# Altium PCB board.PcbDoc (part 3 of 4)
Units mm, origin at the board's own origin, x right, y up, seen from the top; angles counter-clockwise.
Board outline 300 x 184 mm, 2 copper layers (Top Layer, Bottom Layer); 398 components, 261 nets, 1329 pads, 584 vias.
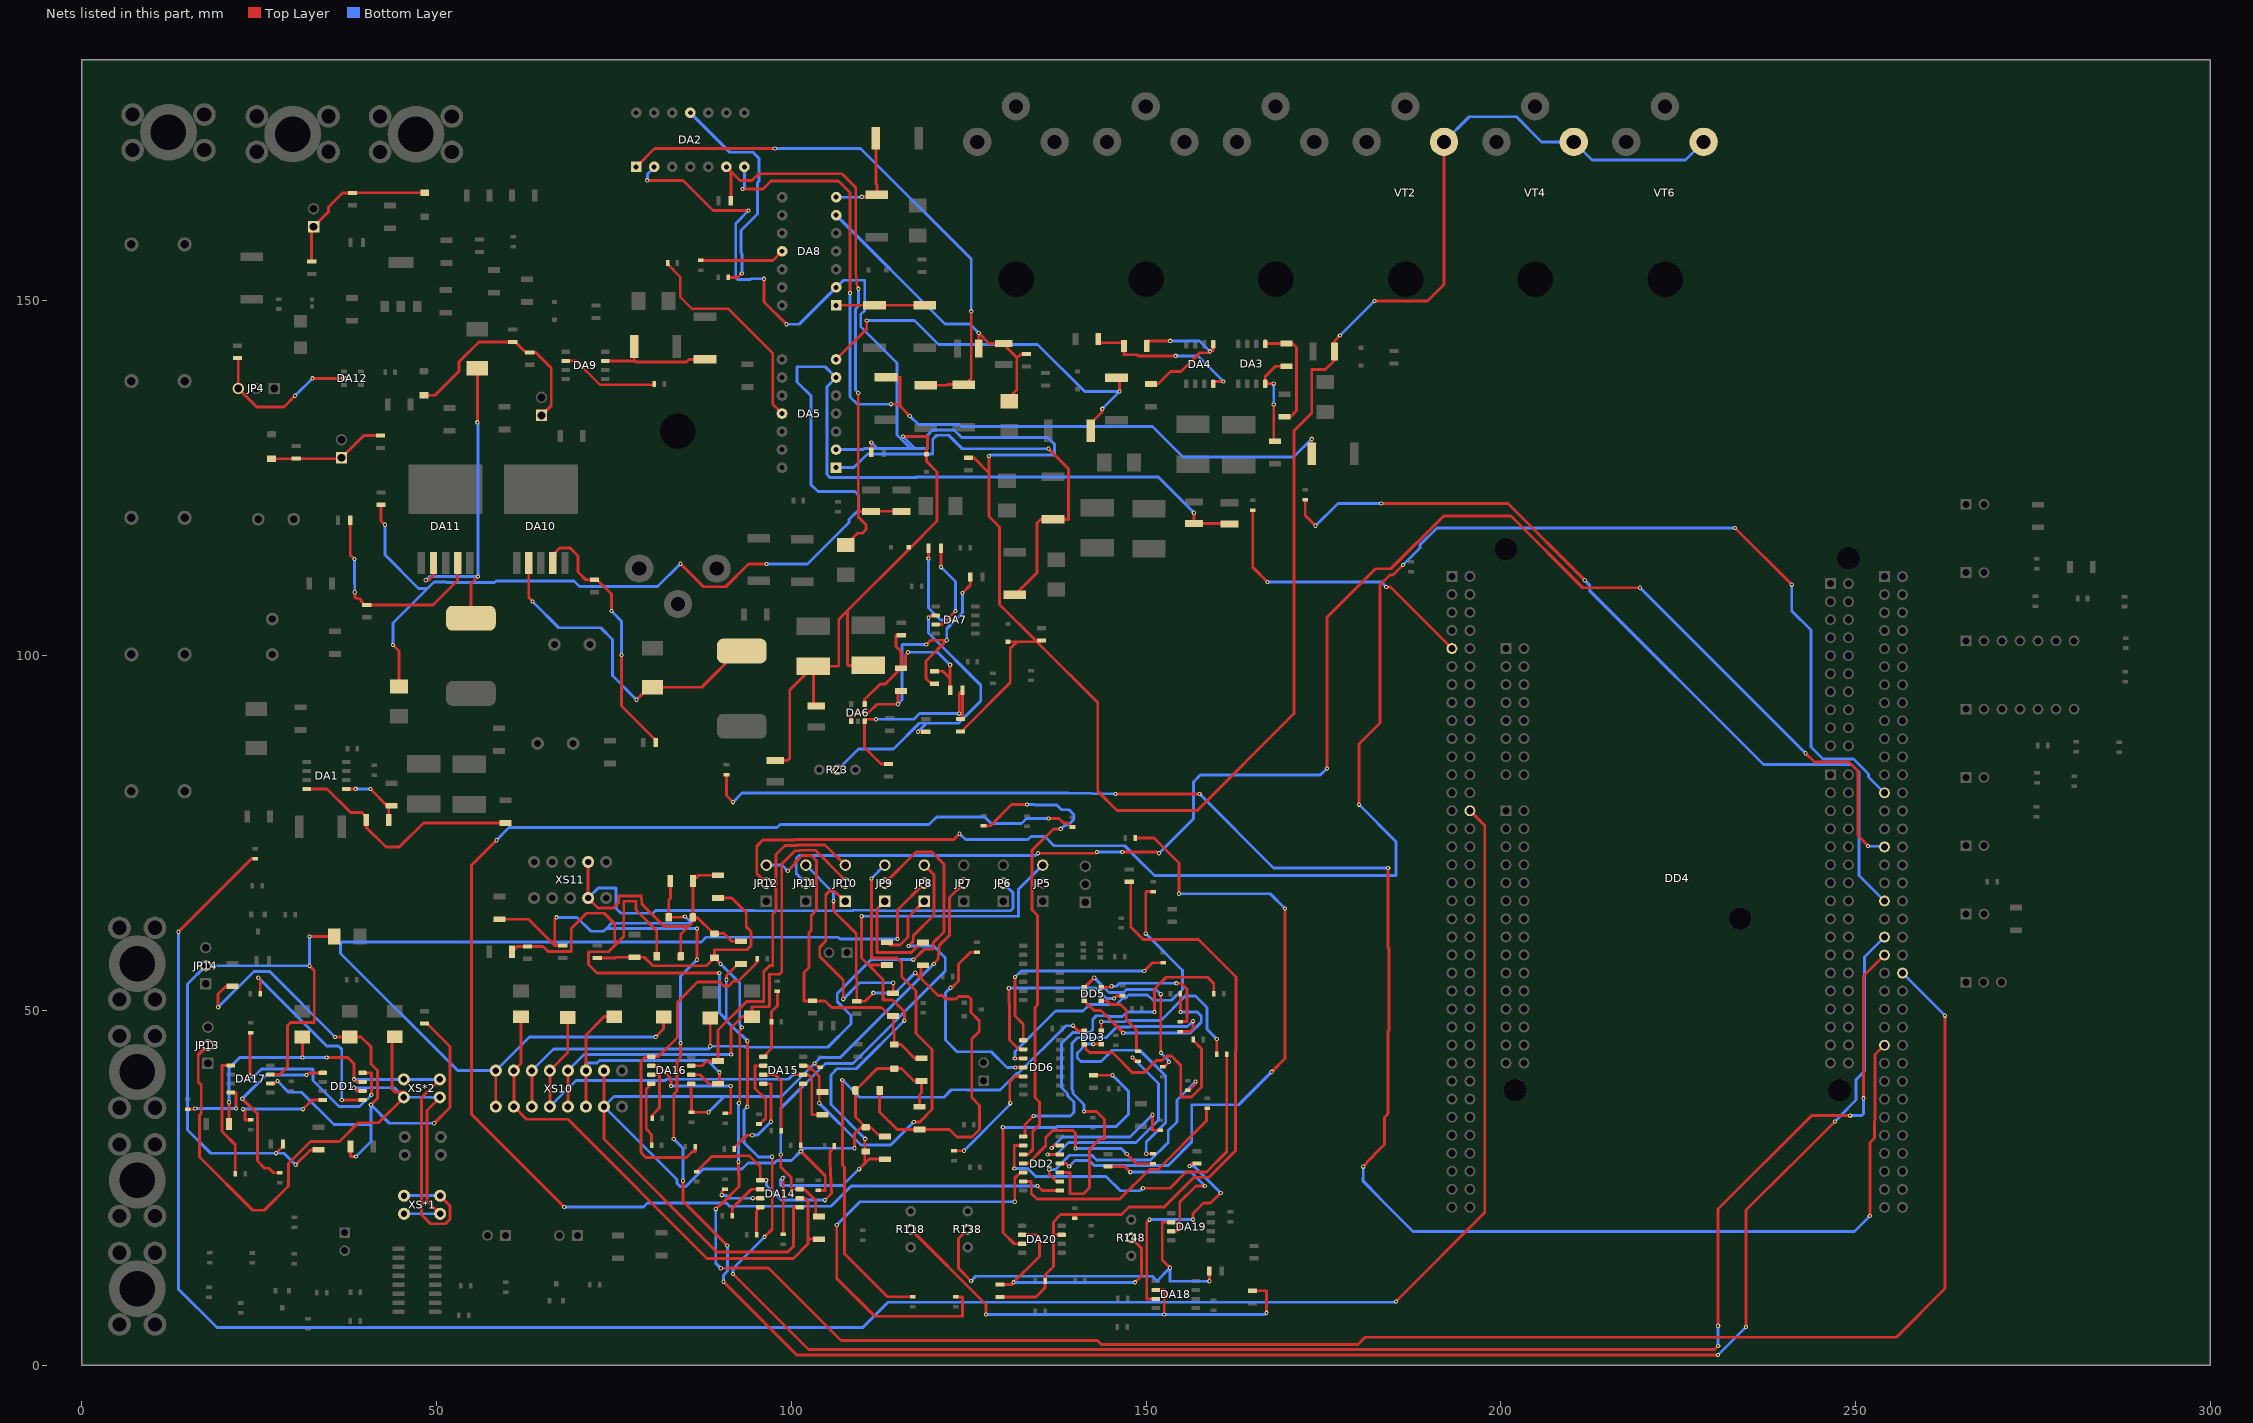
[diagram p3: the nets of this part, all layers, seen from the top]

## Via types
v1: diameter 0.6, hole 0.3, Top Layer to Bottom Layer, 584 vias

## Nets (pads, with @x,y where several pads share a name; then routed paths per layer and width w, separated by ;. In a path a pad name is that pad's centre, name@x,y a point inside that pad or via, vN(x,y) a via of type N, cw(c..) or ccw(c..) an arc to the next point about the centre after c; other vN are vias at no path point) (continued)
ENC_B: DD4.CN12_31 JP11.2 | length 217.8
  Top Layer w0.4: v1(134.772,72.156) 142.877,72.156 143.046,72.325 v1(143.1,72.325) ; v1(146.662,72.338) 151.581,72.338 151.769,72.15 v1(151.823,72.15) ; v1(175.5,84.1) 175.5,105.416 182.334,112.25 184.5,112.25 191.95,119.7 201.425,119.7 211.55,109.575 v1(219.625,109.575) ; v1(242.95,86.25) 244.209,84.991 249.079,84.991 250.311,83.759 250.311,74.639 251.75,73.2 v1(251.75,73.175)
  Bottom Layer w0.4: JP11.2@102.064,67.935 100.714,69.285 100.714,71.416 101.124,71.825 134.441,71.825 v1(134.772,72.156) ; v1@143.137,72.338 v1(146.662,72.338) ; v1@151.796,72.15 v1(151.823,72.15) 151.85,72.15 156.708,77.008 156.708,82.224 156.75,82.266 157.648,83.164 174.564,83.164 v1(175.5,84.1) ; v1(219.625,109.575) v1(242.95,86.25) ; v1(251.75,73.175) 251.788,73.137 253.973,73.137 DD4.CN12_31@254.065,73.045
ENC_IN_A: JP8.2 VD30.C XS10.1 | length 151.3
  Top Layer w0.4: XS10.1@58.38,36.45 XS10.1@58.38,41.53 ; v1(80.924,46.28) 82.025,47.38 VD30.C@82.025,49.075 ; v1(114.996,60.075) 114.996,64.173 JP8.2@118.757,67.935
  Bottom Layer w0.4: v1(80.924,46.28) 63.13,46.28 XS10.1@58.38,41.53 53.01,41.53 36.5,58.04 36.5,59.418 36.734,59.652 87.34,59.652 88.013,60.325 106.61,60.325 106.879,60.056 114.977,60.056 v1(114.996,60.075)
ENC_IN_B: JP9.2 VD31.C XS10.3 | length 101.5
  Top Layer w0.4: XS10.3@63.46,36.45 XS10.3@63.46,41.53 ; v1(88.6,44.959) VD31.C@88.6,48.95 ; JP9.2@113.193,67.935 117.573,72.315 119.837,72.315 121.55,70.602 121.55,61.075 120.015,59.54 120.015,58.624 118.756,58.624 117.256,57.125 v1(117.218,57.163)
  Bottom Layer w0.4: XS10.3@63.46,41.53 66.505,44.575 88.375,44.575 v1@88.6,44.8 ; v1(88.6,44.959) 93.389,44.959 93.523,44.825 105.161,44.825 108.424,48.089 108.424,49.302 106.49,51.236 106.49,52.373 111.281,57.163 v1(117.218,57.163)
ENC_IN_Z: JP10.2 VD32.C XS10.5 | length 73.7
  Top Layer w0.4: XS10.5@68.54,36.45 XS10.5@68.54,41.53 ; v1(91.542,43.791) 91.542,47.546 93.121,49.125 VD32.C@94.475,49.125 94.475,50.522 96.799,50.522 96.952,50.674 96.952,55.094 98.361,55.094 98.675,55.408 98.675,70.618 100.557,72.5 101.119,72.5 101.194,72.575 103.414,72.575 107.174,68.815 107.174,68.39 JP10.2@107.629,67.935
  Bottom Layer w0.4: XS10.5@68.54,41.53 70.801,43.791 v1(91.542,43.791)
ENC_LD_A: DA14.7 JP8.3 R76.1 | length 71.2
  Top Layer w0.4: v1(98.527,29.719) 98.527,27.936 100.007,26.456 100.007,24.81 DA14.7@101.219,24.81 101.886,24.81 103.454,23.242 103.454,20.975 R76.1@103.9,20.975 ; v1(116.522,59.068) 117.2,59.746 117.2,60.525 120.117,63.442 120.117,69.116 JP8.3@118.757,70.475
  Bottom Layer w0.4: v1(98.527,29.719) 98.527,36.223 104.838,42.534 108.717,42.534 121.7,55.517 121.7,57.451 120.084,59.068 v1(116.522,59.068)
ENC_LD_B: DA15.7 JP9.3 R81.1 | length 68.7
  Top Layer w0.4: DA15.7@101.669,42.21 102.444,42.21 102.449,42.205 102.449,41.744 102.91,41.744 103.962,40.692 R81.1@103.962,38.5 ; v1(103.962,36.933) R81.1@103.962,38.5 ; R81.1@104.4,38.5 R81.1@103.962,38.5 ; v1(111.328,68.61) 111.328,57.405 114.935,57.405 115.57,56.77 115.57,54.763 117.602,52.731 117.602,46.762 119.863,44.502 119.863,36.044 118.11,34.291 v1(117.272,34.291)
  Bottom Layer w0.4: v1(103.962,36.933) 109.855,31.04 114.021,31.04 v1(117.272,34.291) ; v1(111.328,68.61) JP9.3@113.193,70.475
ENC_LD_NA: DA14.6 R76.2 VD33.C XS10.2 | length 73.1
  Top Layer w0.4: VD33.C@61.925,49.125 61.925,42.535 XS10.2@60.92,41.53 XS10.2@60.92,36.45 62.698,34.672 68.529,34.672 88.131,15.07 100.33,15.07 102.394,17.134 102.394,17.775 ; DA14.6@101.219,23.54 101.954,23.54 102.394,23.1 102.394,17.775 ; R76.2@103.9,17.775 102.394,17.775
ENC_LD_NB: DA15.6 R81.2 VD34.C XS10.4 | length 59.4
  Top Layer w0.4: XS10.4@66,36.45 XS10.4@66,41.53 68.525,44.055 VD34.C@68.525,49.025 ; v1(100.457,41.149) 100.666,40.94 DA15.6@101.669,40.94 102.433,40.94 102.898,40.475 102.898,35.3 R81.2@104.4,35.3
  Bottom Layer w0.4: XS10.4@66,36.45 69.658,40.108 82.271,40.108 82.474,40.311 99.619,40.311 v1(100.457,41.149)
ENC_LD_NZ: DA16.6 R86.2 VD35.C XS10.6 | length 42
  Top Layer w0.4: XS10.6@71.08,36.45 XS10.6@71.08,41.53 71.08,46.545 73.66,49.125 VD35.C@75.05,49.125 ; DA16.6@85.894,40.94 87.147,40.94 88.412,39.675 R86.2@89.7,39.675 89.916,39.675 v1(89.916,41.276)
  Bottom Layer w0.4: XS10.6@71.08,41.53 71.08,42.597 72.644,42.597 73,42.952 88.24,42.952 v1(89.916,41.276)
ENC_LD_Z: DA16.7 JP10.3 R86.1 | length 49.7
  Top Layer w0.4: DA16.7@85.894,42.21 87.452,42.21 88.117,42.875 R86.1@89.7,42.875 89.7,47.232 93.743,51.275 96.139,51.275 96.139,55.5 96.989,56.35 97.4,56.35 97.4,63.584 97.85,64.034 97.85,71.961 99.139,73.25 100.809,73.25 100.884,73.325 104.779,73.325 JP10.3@107.629,70.475
ENC_OC_A: JP8.1 R73.2 | length 9.6
  Top Layer w0.4: R73.2@113.5,59.6 113.875,59.225 115.348,59.225 116.45,60.327 116.45,63.088 JP8.1@118.757,65.395
ENC_OC_B: JP9.1 R72.2 | length 14.8
  Top Layer w0.4: JP9.1@113.193,65.395 112.09,64.292 112.09,58.167 112.102,58.155 116.916,58.155 118.336,59.575 R72.2@118.6,59.575
ENC_OC_Z: JP10.1 R71.2 | length 29.7
  Top Layer w0.4: v1(107.34,51.588) 107.34,54.281 104.021,57.6 104.021,58.912 104.877,59.767 104.877,66.295 105.713,67.131 JP10.1@107.629,65.395 ; R71.2@114.375,52.425 v1(114.375,53.9)
  Bottom Layer w0.4: v1(107.34,51.588) 109.652,53.9 v1(114.375,53.9)
Enc_supply: C62.2 C64.2 C65.2 C67.2 DA14.5 DA15.5 DA16.5 JP7.2 R68.2 R69.2 R70.2 VD24.C VD25.C VD26.C XS10.7 | length 216.4
  Top Layer w0.4: XS10.7@73.62,41.53 XS10.7@73.62,36.45 73.62,31.867 89.512,15.975 99.515,15.975 100.305,16.765 100.305,22.27 DA14.5@101.219,22.27 ; DA16.5@85.894,39.67 85.894,37.965 85.95,37.909 C67.2@85.95,35.65 v1(88.341,35.65) ; DA15.5@101.669,39.67 101.35,39.351 C65.2@101.35,31.025 v1(101.35,30.151) 104.8,26.7 104.8,24.65 C62.2@103.825,24.65 ; v1(103.302,42.521) 103.797,42.025 C64.2@104.075,42.025 ; v1(108.915,30.583) 108.915,32.624 109.816,33.525 VD26.C@110.525,33.525 ; R70.2@113.25,32.25 112.502,32.25 111.227,33.525 VD26.C@110.525,33.525 ; R69.2@118.075,36.425 118.075,38.076 118.375,38.376 R68.2@118.375,40.05 117.32,40.05 115.57,41.8 VD24.C@114.525,41.8 112.125,41.8 VD25.C@109.05,38.725 109.05,35 VD26.C@110.525,33.525 ; v1(120.1,56.548) 120.1,56.602 120.688,57.19 120.875,59.18 122.3,60.604 122.3,65.913 JP7.2@124.321,67.935
  Bottom Layer w0.4: v1(88.341,35.65) 90.564,37.872 ; v1(108.915,30.583) 101.782,30.583 v1(101.35,30.151) 100.068,28.869 98.016,28.869 97.849,28.702 97.819,28.702 97.617,28.5 93.902,28.5 93.052,27.65 87.602,27.65 85.102,25.15 84.398,25.15 83.9,25.648 83.9,26.17 XS10.7@73.62,36.45 75.042,37.872 90.564,37.872 ; v1(120.1,56.548) 106.917,43.365 104.146,43.365 v1(103.302,42.521) 98.654,37.872 90.564,37.872
ENC_Z: DD4.CN12_25 JP12.2 | length 246
  Top Layer w0.4: JP12.2@96.5,67.935 95.15,69.285 95.15,73.15 96,74 100.498,74 100.573,74.075 122.908,74.075 v1(123.733,74.9) ; v1(180,79) 180,87.539 182.986,90.526 182.986,109.986 184.361,111.361 184.813,111.361 v1(186.226,112.774) ; v1(233,118) v1(241,110)
  Bottom Layer w0.4: v1(123.733,74.9) 124.558,74.075 133.368,74.075 133.799,74.506 135.745,74.506 137.051,73.2 147.002,73.2 148.981,71.221 148.981,71.204 151.185,69 185.224,69 185.224,73.776 v1(180,79) ; v1(186.226,112.774) 188.632,115.18 188.632,115.632 191,118 v1(233,118) ; v1(241,110) 241,106.311 243.7,103.611 243.7,87.114 245.398,85.416 249.714,85.416 251.811,83.32 251.811,82.919 DD4.CN12_25@254.065,80.665
GND_Curr: C6.1 C16.1 C27.1 DA2.2 DA5.2 DA8.2 R11.2 R22.2 R25.1 R38.2 RS7.1 RS8.1 VD4.A VD9.A VD14.A VT2.S VT4.S VT6.S | length 461.4
  Top Layer w0.4: v1(79.725,166.975) 84.738,166.975 88.988,162.725 v1(94,162.725) ; v1(96.175,153.1) 96.175,149.85 v1(99.325,146.7) ; C16.1@97.75,85.225 99.473,85.225 99.797,85.548 99.797,95.173 RS7.1@103.125,98.5 103.124,92.925 C27.1@103.525,92.925 ; RS7.1@103.125,98.5 106.58,98.5 106.705,98.625 106.705,105.106 107.95,106.351 ; R22.2@111.3,128.65 v1(111.3,130.024) ; v1(115.748,130.874) 119.189,130.874 119.189,129.312 119.05,129.174 VD14.A@119.05,128.375 119.05,127.382 120.548,125.884 120.548,118.949 VD9.A@116.575,114.976 ; VD9.A@116.575,115.275 VD9.A@116.575,114.976 ; R25.1@123.85,89.325 123.995,89.325 130.874,96.204 130.874,100.998 131.826,101.95 ; R38.2@124.975,127.875 125.745,127.875 127.864,125.756 ; v1(127.864,128.119) 127.864,125.756 ; VD4.A@130.525,101.95 131.826,101.95 ; R11.2@135.275,102.125 135.255,102.125 134.855,101.725 ; v1(177.317,145.111) 176.55,144.344 C6.1@176.55,142.85 176.55,141.59 175.26,140.3 173.355,140.3 173.355,134.189 170.866,131.7 170.866,91.822 157.226,78.182 145.923,78.182 143.205,80.9 143.205,93.374 134.855,101.725 ; v1(182.194,149.988) 189.662,149.988 191.995,152.321 VT2.S@191.995,172.4 ; 107.95,106.351 VD9.A@116.575,114.976 ; 107.95,106.351 107.95,98.705 108.019,98.637 ; 108.019,98.637 108.03,98.625 RS8.1@110.85,98.625 108.019,98.637 ; 127.864,125.756 127.864,119.614 129.367,118.111 129.367,107.213 R11.2@134.629,101.95 ; 131.826,101.95 R11.2@134.629,101.95 ; R11.2@134.629,101.95 134.855,101.725
  Bottom Layer w0.4: v1(79.725,166.975) 79.731,166.981 79.731,167.875 80.7,168.844 DA2.2@80.7,168.88 ; v1(94,162.725) 92.2,160.925 92.2,153.234 92.434,153 94.228,153 94.328,153.1 v1(96.175,153.1) ; v1(99.325,146.7) 101.14,146.7 DA8.2@106.345,151.905 107.349,152.909 110.363,152.909 110.363,148.654 109.792,148.083 109.792,146.369 114.935,141.227 114.935,131.079 116.84,129.174 ; DA5.2@106.325,129.035 110.159,129.035 110.298,129.174 112.15,129.174 ; v1(111.3,130.024) 112.15,129.174 ; v1(115.748,130.874) 117.448,129.174 ; v1(127.864,128.119) 128.041,128.296 137.109,128.296 137.109,129.795 136.169,130.735 124.028,130.735 122.961,131.801 119.925,131.801 119.189,131.065 119.189,129.174 117.448,129.174 ; v1(177.317,145.111) v1(182.194,149.988) ; VT2.S@191.995,172.4 195.542,175.947 202.193,175.947 205.74,172.4 VT4.S@210.285,172.4 212.86,169.825 226,169.825 VT6.S@228.575,172.4 ; 112.15,129.174 116.84,129.174 ; 116.84,129.174 117.448,129.174
Hall_A: C68.2 DD4.CN12_43 R90.1 R93.1 VD27.A | length 335.9
  Top Layer w0.4: R93.1@60.65,58.275 61.4,59.025 C68.2@62.85,59.025 65.03,59.025 65.761,58.294 69.012,58.294 69.012,61.543 71.164,63.695 73.66,63.695 75.133,62.222 75.133,59.132 ; VD27.A@81.05,57.625 81.05,61.207 78.117,64.14 78.117,65.392 76.417,65.392 76.417,60.416 75.133,59.132 ; v1(89.877,55.273) 72.642,55.273 71.45,56.465 71.45,58.243 74.295,58.294 75.133,59.132 ; v1(90.869,54.319) 90.888,54.338 90.888,54.938 92.5,56.55 R90.1@92.95,56.55 ; v1(91.788,12.863) 102.452,2.2 230.1,2.2 v1(230.625,2.725) ; v1(93.825,36.425) v1(93.825,45.725) ; v1(96.25,18.1) 97.325,19.175 97.325,29.357 v1(97.304,29.378) ; v1(230.625,5.575) 230.625,22.016 243.823,35.213 249.187,35.213 v1(249.225,35.175) ; v1(251.112,37.612) 251.112,54.852 DD4.CN12_43@254.065,57.805
  Bottom Layer w0.4: v1(89.877,55.273) 89.877,49.673 90.85,48.7 ; v1(90.869,54.319) 90.85,54.3 90.85,48.7 ; v1(91.788,12.863) 91.788,13.638 v1(96.25,18.1) ; v1@93.825,36.4 93.375,35.95 93.375,31.359 95.384,29.35 97.276,29.35 v1(97.304,29.378) ; v1(93.825,45.725) 93.044,46.506 92.942,46.506 90.85,48.598 90.85,48.7 ; v1(230.625,2.725) v1(230.625,5.575) ; v1(249.225,35.175) 250.877,35.175 251.112,35.409 v1(251.112,37.612)
Hall_B: C69.2 DD4.CN12_41 R91.1 R94.1 VD28.A | length 324.1
  Top Layer w0.4: R94.1@58.9,62.85 62.975,62.85 66.675,59.15 ; v1(66.945,63.12) 66.675,62.85 66.675,59.15 ; C69.2@67.8,59.15 66.675,59.15 ; R91.1@82.975,68.25 82.975,65.783 82.75,65.558 VD28.A@82.75,63.125 84.866,63.125 84.966,63.225 v1(85.02,63.225) ; v1(83.45,31.875) 83.45,38.175 83.908,38.633 83.908,42.875 84.4,43.367 v1(84.4,45.425) ; v1(84.75,26) 84.75,23.125 v1(91,16.875) ; v1(86.725,57.15) v1(86.725,61.55) ; v1(90.45,11.775) 100.775,1.45 v1(230.602,1.45) ; v1(234.55,5.398) 234.55,21.875 240.775,28.1 240.837,28.1 v1(247.1,34.363)
  Bottom Layer w0.4: v1(66.945,63.12) 69.826,63.12 71.794,61.152 73.57,61.152 73.968,61.55 ; v1(83.45,31.875) 84.75,30.575 v1(84.75,26) ; v1(84.4,45.425) 84.4,54.825 v1(86.725,57.15) ; v1@84.991,63.225 v1(85.02,63.225) 85.05,63.225 85.975,62.3 74.718,62.3 73.968,61.55 ; v1(86.725,61.55) 73.968,61.55 ; v1(90.45,11.775) 90.45,12.693 91.038,13.282 v1@91.038,16.913 ; v1(230.602,1.45) v1(234.55,5.398) ; v1(247.1,34.363) 247.847,35.11 247.847,35.172 250.042,37.367 250.042,40.076 250.042,40.242 251.236,41.436 251.236,57.516 DD4.CN12_41@254.065,60.345
Hall_C: C70.2 DD4.CN12_46 R92.1 R95.1 VD29.A | length 308.3
  Top Layer w0.4: C70.2@72.675,57.4 75.26,57.4 75.36,57.5 R95.1@77.95,57.5 79.305,57.5 80.505,56.3 88.054,56.3 VD29.A@89.179,57.425 ; v1(89.375,22) 90.206,22.831 90.283,22.831 92.625,25.173 92.625,26.91 92.575,26.96 v1(92.575,28.675) ; R92.1@89.675,65.85 91.631,65.85 93.675,63.806 93.675,61.802 94.35,61.127 94.35,59.122 93.776,58.548 89.179,58.548 VD29.A@89.179,57.425 ; v1(90.052,56.573) VD29.A@89.2,57.425 VD29.A@89.179,57.425 ; v1(90.079,13.675) 91.398,13.675 91.436,13.713 96.787,13.713 107.025,3.475 143.179,3.475 143.704,2.95 179.858,2.95 180.858,3.95 255.75,3.95 262.6,10.8 v1(262.6,49.27) ; v1(92.625,36.925) 92.75,37.05 92.75,47.246 93.05,47.546 v1(93.05,47.6)
  Bottom Layer w0.4: v1(89.375,22) 89.375,14.379 v1(90.079,13.675) ; v1(90.052,56.573) 92.75,53.875 92.75,48.002 v1@93.067,47.614 ; v1(92.575,28.675) 92.6,28.7 92.6,36.9 v1(92.625,36.925) ; DD4.CN12_46@256.605,55.265 v1(262.6,49.27)
Hall_supply: JP6.2 R90.2 R91.2 R92.2 VD27.C VD28.C VD29.C XS11.4 | length 115.1
  Top Layer w0.4: XS11.4@71.39,70.925 XS11.4@71.39,65.845 72.79,64.445 74.93,64.445 75.667,65.182 75.667,66.142 78.867,66.142 78.994,64.969 82.113,61.85 85.515,61.85 ; VD27.C@84.45,57.625 84.45,60.785 85.515,61.85 ; R92.2@89.675,69.05 86.975,69.05 R91.2@86.175,68.25 86.175,65.685 86.15,65.66 VD28.C@86.15,63.125 86.15,63.103 86.768,63.103 ; R90.2@92.95,59.75 91.601,59.75 90.526,60.825 VD29.C@89.2,60.825 89.045,60.825 86.768,63.103 ; 85.515,61.85 86.47,62.805 86.768,63.103
  Bottom Layer w0.4: XS11.4@71.39,65.845 72.805,67.26 75.33,67.26 75.33,64.39 76.028,63.692 80.509,63.692 80.891,64.075 94.759,64.075 94.789,64.045 108.656,64.045 108.736,64.125 112.085,64.125 112.165,64.045 130.927,64.045 131.242,64.359 131.242,66.579 JP6.2@129.886,67.935
N_UnderVoltage: C80.2 DA20.7 R151.2 R152.1 R160.2 | length 97.2
  Top Layer w0.4: R151.2@129.425,9.625 134.477,9.625 135.775,10.923 C80.2@135.775,11.875 135.775,12.738 136.943,13.907 136.943,18.385 ; DA20.7@138.119,18.385 136.943,18.385 ; R160.2@139.95,20.725 140.106,20.725 140.065,20.794 139.802,21.231 ; R152.1@147.65,68.125 147.853,68.125 147.853,61.742 149.62,59.975 157.399,59.975 162.675,54.699 162.675,44.371 162.599,44.295 162.599,30.227 158.859,26.487 156.763,26.487 152.576,22.301 147.623,22.301 146.554,21.231 139.802,21.231 ; 136.943,18.385 136.943,20.206 137.968,21.231 139.802,21.231
NetC1_1: C1.1 C2.2 C4.2 DA2.6 VD1.C | length 83.4
  Top Layer w0.4: DA2.6@90.86,168.88 91.5,168.24 ; C4.2@91.5,164.1 91.5,168.24 ; VD1.C@107.7,115.6 109.353,117.253 110.038,117.253 110.536,117.751 110.536,118.455 109.449,119.542 109.449,120.325 ; v1(109.449,137.026) 109.449,120.325 ; v1(109.499,151.69) 109.31,151.88 109.095,153.998 109.095,165.99 107.17,167.915 95.459,167.915 94.499,166.955 92.785,166.955 91.5,168.24 ; C2.2@115.55,120.325 114.808,120.325 114.787,120.346 111.25,120.346 C1.1@111.25,120.325 109.449,120.325
  Bottom Layer w0.4: v1(109.449,137.026) 109.042,137.433 109.042,148.819 109.499,149.276 v1(109.499,151.69)
NetC3_1: C3.1 DA1.8 R1.1 | length 33.7
  Top Layer w0.4: DA1.8@31.731,81.195 34.609,81.195 37.929,77.875 39.5,77.875 40.1,77.275 C3.1@40.1,76.825 40.1,75.82 42.894,73.026 44.78,73.026 48.179,76.425 R1.1@59.75,76.425
NetC3_2: C3.2 DA1.1 R2.1 | length 9.4
  Top Layer w0.4: DA1.1@37.319,81.195 37.334,81.21 38.61,81.21 v1(38.625,81.225) ; v1(40.703,81.197) R2.1@43.075,78.825 ; C3.2@43.3,76.825 43.3,78.6 R2.1@43.075,78.825 ; R2.1@43.65,78.825 R2.1@43.075,78.825
  Bottom Layer w0.4: v1@38.648,81.197 v1(40.703,81.197)
NetC9_1: C9.1 DA3.8 R8.1 | length 14
  Top Layer w0.4: v1(168,135.375) 168,130.225 R8.1@168.15,130.225 ; v1(168,138.331) DA3.8@166.805,138.331 166.805,139.32 168.26,140.775 C9.1@169.775,140.775
  Bottom Layer w0.4: v1(168,135.375) v1(168,138.331)
NetC9_2: C9.2 DA3.1 R10.1 | length 15.7
  Top Layer w0.4: DA3.1@166.805,143.919 166.805,143.994 168.434,143.994 168.453,143.975 C9.2@169.775,143.975 170.656,143.975 171.2,143.431 171.2,134.5 170.35,133.65 R10.1@169.5,133.65
NetC11_1: C11.1 C12.2 C13.2 DA5.6 VD6.C | length 208.2
  Top Layer w0.4: C13.2@42.2,121.25 42.2,118.992 v1(42.75,118.442) ; v1(43.891,101.504) 44.725,100.67 VD6.C@44.725,95.65 ; v1(84.404,112.955) 87.655,109.704 90.78,109.704 93.98,112.904 v1(96.52,112.904) ; v1(156.743,120.143) 156.743,118.625 C12.2@156.75,118.625 160.936,118.625 161.011,118.55 C11.1@161.75,118.55
  Bottom Layer w0.4: v1(42.75,118.442) 42.75,114.211 47.486,109.475 48.756,109.475 ; v1(43.891,101.504) 43.891,104.61 48.756,109.475 ; v1(84.404,112.955) 81.174,109.725 70.186,109.725 69.386,110.525 58.398,110.525 58.161,110.288 51.421,110.288 51.333,110.376 49.657,110.376 48.756,109.475 ; v1(96.52,112.904) 102.317,112.904 108.15,118.737 108.15,119.163 109.524,120.537 109.524,122.602 109.011,123.115 103.759,123.115 102.794,124.08 102.794,136.628 100.838,138.583 100.838,140.717 104.803,140.717 DA5.6@106.325,139.195 105.025,137.895 105.025,125.517 105.434,125.108 117.631,125.108 117.675,125.152 151.734,125.152 v1(156.743,120.143)
NetC14_1: C14.1 DA4.8 R13.1 | length 23.3
  Top Layer w0.4: R13.1@143.275,144.625 143.275,144.095 146.9,144.095 C14.1@146.9,143.65 146.9,142.393 148.717,142.393 148.869,142.241 v1(154.178,142.241) ; DA4.8@159.47,138.287 159.47,138.634 v1(160.934,138.634)
  Bottom Layer w0.4: v1(154.178,142.241) 157.328,142.241 v1(160.934,138.634)
NetC14_2: C14.2 DA4.1 R15.1 | length 21.8
  Top Layer w0.4: C14.2@150.1,143.65 150.1,144.361 v1(153.416,144.361) ; R15.1@150.725,138.275 151.705,138.275 153.456,140.026 154.929,140.026 157.576,142.673 158.801,142.673 v1(159.004,142.876) ; v1@159.106,142.978 159.47,142.978 DA4.1@159.47,143.875
  Bottom Layer w0.4: v1(153.416,144.361) 157.519,144.361 v1(159.004,142.876) v1@159.106,142.978
NetC20_1: C20.1 DA6.3 R21.1 R25.2 | length 29.8
  Top Layer w0.4: v1(111.938,91.035) 110.35,91.035 DA6.3@110.35,90.775 110.35,87.049 112.674,84.725 R21.1@113.725,84.725 ; v1(123.683,91.822) 123.683,94.658 C20.1@124.15,95.125 124.15,91.075 R25.2@123.85,91.075
  Bottom Layer w0.4: v1(111.938,91.035) 117.308,91.035 118.096,91.822 v1(123.683,91.822)
NetC20_2: C20.2 C25.1 DA6.4 R28.2 R30.1 | length 29.1
  Top Layer w0.4: DA6.4@110.35,93.175 110.35,93.803 112.56,96.013 113.263,96.013 C25.1@115.475,98.225 ; R28.2@115.5,102.875 114.771,102.875 114.771,101.31 115.475,100.606 C25.1@115.475,98.225 ; v1(116.475,100.48) 116.475,100.426 116.125,100.076 116.125,98.425 115.925,98.225 C25.1@115.475,98.225 ; R30.1@120.2,97.8 121.375,97.8 122.4,96.775 ; C20.2@122.4,95.125 122.4,96.775 ; v1(122.4,98.708) 122.4,96.775
  Bottom Layer w0.4: v1(116.475,100.48) 120.628,100.48 v1(122.4,98.708)
NetC21_1: C21.1 C22.2 C24.2 DA8.6 VD11.C | length 44.5
  Top Layer w0.4: C22.2@126.425,143.275 v1(126.425,145.467) 127.892,144 C21.1@129.95,144 130.314,144 130.314,143.499 131.775,142.038 131.775,141.86 ; VD11.C@130.725,135.85 130.725,136.399 131.775,137.449 131.775,141.86 ; C24.2@133.175,142.5 132.415,142.5 131.775,141.86
  Bottom Layer w0.4: DA8.6@106.345,162.065 121.698,146.712 125.18,146.712 v1(126.425,145.467)
NetC25_2: C25.2 DA6.1 R29.1 R30.2 R32.1 | length 56.7
  Top Layer w0.4: DA6.1@108.45,90.775 108.45,91.281 109.144,91.974 110.919,91.974 112.103,93.158 v1(115.037,93.158) 115.037,95.025 C25.2@115.475,95.025 ; v1(119.025,101.575) 119.079,101.575 119.664,102.16 v1(121.92,102.16) 119,99.24 119,96.775 119.725,96.05 R30.2@120.2,96.05 ; v1(119.325,113.675) 119.337,113.687 119.337,115.112 R29.1@119.35,115.125 ; v1(124.155,108.84) 125.225,109.91 R32.1@125.225,111.075
  Bottom Layer w0.4: v1(115.037,93.158) 115.625,93.746 115.625,101.494 115.706,101.575 v1(119.025,101.575) v1@119.025,101.629 ; v1@119.35,113.666 119.35,106.736 121.056,105.03 123.151,105.03 ; v1(121.92,102.16) 121.92,103.799 123.151,105.03 ; v1(124.155,108.84) 124.155,106.034 123.151,105.03
NetC35_2: C35.2 JP1.1 R47.2 VD19.A | length 30.6
  Top Layer w0.4: VD19.A@48.25,136.7 49.809,136.7 53.188,140.078 53.188,141.403 55.985,144.2 C35.2@60.775,144.2 61.125,144.2 62.6,142.725 R47.2@63.15,142.725 64.008,142.725 66.192,140.541 66.192,135.222 JP1.1@64.825,133.855